# Altium PCB PCB_V2.PcbDoc (part 2 of 2) (continued)
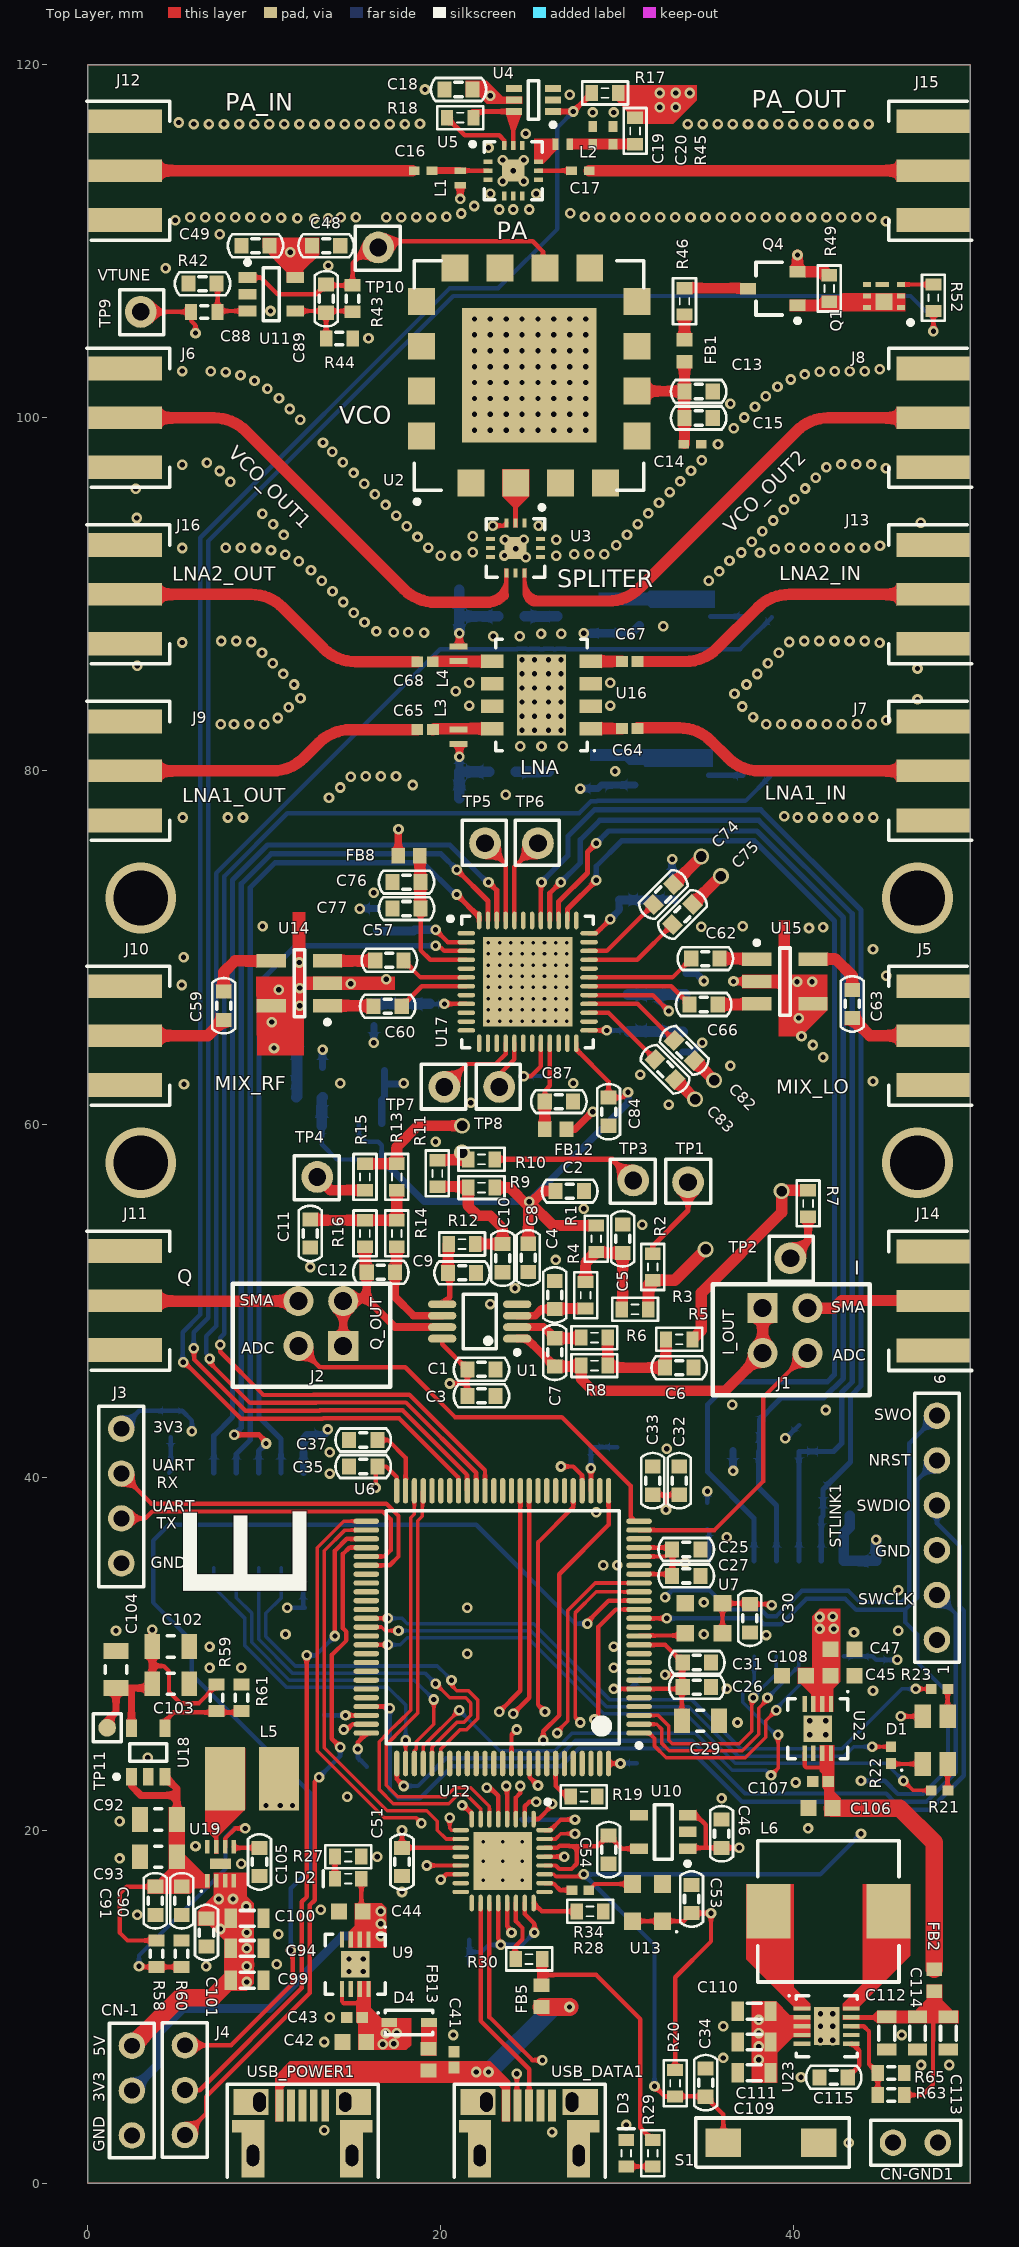
[diagram p0: Top Layer view]
## Nets (pads, with @x,y where several pads share a name; then routed paths per layer and width w, separated by ;. In a path a pad name is that pad's centre, name@x,y a point inside that pad or via, vN(x,y) a via of type N, cw(c..) or ccw(c..) an arc to the next point about the centre after c; other vN are vias at no path point) (continued)
  Top Layer w0.25: C87.1@25.9,61.1 25.9,61.9 26.167,62.168 U17.21@26.167,64.578
  Top Layer w0.6: FB12.2@25.885,59.7 C87.1@25.885,61.27
NetC88_2: C88.2 R42.1 U11.3 | length 3.3
  Top Layer w0.25: C88.2@7.3,107.6 7.35,107.55 R42.1@7.35,106 7.4,106.05 U11.3@9.05,106.05
NetC89_2: C89.2 R43.2 R44.1 U11.4 | length 4.7
  Top Layer w0.25: U11.4@11.75,106.05 14.95,106.05 R43.2@15,106 ; R44.1@13.5,104.5 C89.2@13.5,105.95
NetC105_2: C105.2 U19.5 | length 1.5
  Top Layer w0.25: U19.5@8.275,19.065 8.34,19 C105.2@9.725,19
NetC106_2: C106.2 C107.2 FB2.2 U22.5 U22.7 U22.8 | length 15.8
  Top Layer w0.25: U22.5@40.6,24.355 40.6,23.65 40.7,23.55 41.925,23.55
  Top Layer w1: C106.2@42.175,21.25 46,21.25 47.95,19.3 FB2.2@47.95,12.115
NetC115_2: C115.2 U23.6 | length 2.4
  Top Layer w0.25: C115.2@43.05,6 43.7,6.65 43.7,7.5 43.3,7.9 U23.6@43.245,7.9
NetD1_2: D1.2 R23.1 | length 1.6
  Top Layer w0.25: D1.2@48.707,26.45 48.707,27.982 R23.1@48.725,28
NetD1_3: D1.3 R22.1 | length 1.8
  Top Layer w0.25: R22.1@45.5,23.775 45.525,23.75 D1.3@47.293,23.75
NetD1_4: D1.4 R21.1 | length 1.5
  Top Layer w0.25: D1.4@48.707,23.75 48.707,22.268 R21.1@48.725,22.25
NetD2_2: D2.2 R27.1 | length 1.3
  Top Layer w0.25: D2.2@14,17.25 R27.1@14,18.5
NetD3_1: D3.1 R29.2 | length 1.5
  Top Layer w0.25: D3.1@30.5,0.95 R29.2@32,0.95
NetD4_2: D4.2 FB13.2
NetFB5_1: FB5.1 R29.1 R30.2 | length 15.3
  Top Layer w0.25: 25.7,11.8 28.8,11.8 31.3,9.3 31.3,3.15 R29.1@32,2.45
  Top Layer w0.5: FB5.1@25.7,11.215 25.7,11.8 25.7,12.65 R30.2@25.75,12.7
NetL2_2: L2.2 U5.9
NetL5_2: L5.2 U19.7
NetL6_1: L6.1 U23.1
NetL6_2: L6.2 U23.10
NetQ1_1: Q1.1 Q1.2 Q1.5 Q1.6 Q1.8 Q4.1 R49.1 | length 0.3
  Top Layer w0.4: R49.1@41.8,106.375 R49.1@42,106.575
NetQ1_3: Q1.3 R52.1 | length 1.8
  Top Layer w0.25: Q1.3@46.075,107.55 R52.1@47.9,107.55
NetQ2_1: Q2.1 Q2.2 Q2.5 Q2.6 Q2.8 Q5.1 R50.1
NetQ2_3: Q2.3 R53.1 | length 1.9
  Bottom Layer w0.3: Q2.3@35.275,88.75 R53.1@37.2,88.75
NetQ3_1: Q3.1 Q3.2 Q3.5 Q3.6 Q3.8 Q6.1 R51.1 | length 0.3
  Bottom Layer w0.6: R51.1@30.8,80.9 R51.1@31,80.7
NetQ3_3: Q3.3 R54.1 | length 1.9
  Bottom Layer w0.3: Q3.3@35.175,79.75 R54.1@37.1,79.75
NetQ4_3: Q4.3 R46.2 | length 3.6
  Top Layer w0.4: Q4.3@37.375,107.35 Q4.3@37.4,107.325
  Top Layer w0.6: R46.2@33.8,107.35 Q4.3@37.375,107.35
NetQ5_3: Q5.3 R55.2 | length 1.8
  Bottom Layer w0.6: R55.2@24.75,88.75 Q5.3@26.6,88.75
NetQ6_3: Q6.3 R56.2 | length 1.9
  Bottom Layer w0.4: R56.2@24.25,79.95 R56.2@24.3,79.9
  Bottom Layer w0.6: R56.2@24.25,79.95 Q6.3@26.1,79.95
NetR2_1: R2.1 TP1.1 | length 4.9
  Top Layer w0.3: R2.1@32,52.65 32,53.1 34,55.1 TP1.1@34,56.7
NetR7_1: R7.1 TP2.1 | length 2.8
  Top Layer w0.45: TP2.1@39.8,52.4 40.8,53.4 R7.1@40.8,54.75
NetR10_1: R10.1 TP3.1 | length 8.3
  Top Layer w0.3: R10.1@23.05,58 29.7,58 TP3.1@30.9,56.8
NetR15_1: R15.1 TP4.1 | length 3
  Top Layer w0.6: TP4.1@13,57 13.75,56.25 R15.1@15.7,56.25
NetR18_1: R18.1 U5.12 | length 4.1
  Top Layer w0.25: R18.1@20.35,117 21.35,116 23.3,116 23.59,115.71 U5.12@23.59,115.425
NetR18_2: R18.2 U4.6 U5.11 | length 4.2
  Top Layer w0.25: U5.11@24.1,115.425 U4.6@24.1,117.3
  Top Layer w0.3: R18.2@21.8,117.35 U4.6@24.15,117.35
NetR19_1: R19.1 U6.94 | length 2.4
  Top Layer w0.25: U6.94@26.5,23.775 26.5,22.5 27.1,21.9 R19.1@27.35,21.9
NetR24_1: R24.1 R25.2 R26.2 | length 3.3
  Bottom Layer w0.6: R25.2@11.8,61.515 11.85,61.565 R26.2@11.85,64.75
NetR28_1: R28.1 U12.24 | length 2.6
  Top Layer w0.25: U12.24@25.25,15.875 25.725,15.4 R28.1@27.7,15.4
NetR30_1: R30.1 U12.22 | length 3.7
  Top Layer w0.25: R30.1@24.25,12.5 24.2,12.55 24.2,13.4 24.625,13.825 24.625,14.459 24.25,14.834 U12.22@24.25,15.875
NetR34_1: R34.1 U13.3 | length 2.6
  Top Layer w0.25: R34.1@28.375,16.6 28.725,16.95 U13.3@30.85,16.95
NetR34_2: R34.2 U12.26 | length 1.7
  Top Layer w0.25: U12.26@25.875,17 26.298,17 26.348,16.95 26.411,16.95 26.761,16.6 R34.2@27.425,16.6
NetR41_2: R41.2 U17.20 | length 3.5
  Top Layer w0.25: v1(24.7,62.7) 25.1,62.7 25.668,63.267 U17.20@25.668,64.578
  Bottom Layer w0.25: v1(24.7,62.7) 24.72,62.72 R41.2@25.685,62.72 R41.2@25.685,62.715
NetR47_1: R47.1 U20.8 | length 2
  Bottom Layer w0.25: U20.8@4.6,40.25 4.7,40.35 R47.1@4.7,42.25
NetR48_1: R48.1 U21.8 | length 1.8
  Bottom Layer w0.25: R48.1@35.1,37.05 35.2,36.95 U21.8@35.2,35.25
NetR58_1: R58.1 R60.2 U19.6 | length 14.9
  Top Layer w0.25: v1(2.9,12.3) 2.95,12.25 R58.1@3.9,12.25 R60.2@5.3,12.25 ; U19.6@7.775,19.065 7.775,19.525 8.35,20.1 v1(8.925,20.1)
  Bottom Layer w0.25: v1(2.9,12.3) 2.9,12.9 7.8,17.8 7.8,19.6 8.3,20.1 v1(8.925,20.1)
NetR59_1: R59.1 R61.2 U18.4 | length 4.5
  Top Layer w0.25: U18.4@4.375,26.175 4.875,26.675 R61.2@8.675,26.675
NetR63_1: R63.1 R65.2 U23.8 | length 4.9
  Top Layer w0.25: U23.8@43.245,8.9 43.95,8.9 44.25,8.6 44.25,6.75 R65.2@44.75,6.25 R63.1@44.75,5
NetTP5_1: TP5.1 U17.45 | length 4.9
  Top Layer w0.25: TP5.1@22.5,75.9 23.667,74.733 U17.45@23.667,71.527
NetTP6_1: TP6.1 U17.44 | length 4.9
  Top Layer w0.25: U17.44@24.168,71.527 24.168,74.568 TP6.1@25.5,75.9
NetTP7_1: TP7.1 U17.16 | length 4.9
  Top Layer w0.25: TP7.1@20.385,61.985 20.739,62.339 20.739,62.639 21.5,63.4 23.1,63.4 23.667,63.967 U17.16@23.667,64.578
NetTP8_1: TP8.1 U17.17 | length 3.1
  Top Layer w0.25: TP8.1@23.3,61.8 TP8.1@23.3,62.1 23.3,62.8 24.168,63.668 U17.17@24.168,64.578
NetU2_2: U2.2 U3.2 | length 0.1
  Top Layer w0.25: U2.2@24.19,96.256 U2.2@24.238,96.304
NetU6_12: U6.12 U7.3 | length 2.7
  Top Layer w0.25: U6.12@31.225,31 31.25,31.025 33.725,31.025 U7.3@33.85,31.15
NRST: C34.2 R20.1 S1.1 STLINK1.5 U6.14 U12.27 | length 82.9
  Top Layer w0.2: U12.27@25.875,17.5 26.399,17.5 26.524,17.375 27.875,17.375 28,17.5 v1(28.1,17.5)
  Top Layer w0.25: U6.14@31.225,32 v1(32.8,32) ; v1(32.1,5.5) 32.683,4.917 R20.1@33.269,4.917 34.983,4.917 C34.2@35,4.9 36,3.9 S1.1@36,2.3
  Signal Layer 2 w0.25: v1(43.8,19.8) v1(43.8,22.8)
  Bottom Layer w0.25: v1(32.1,5.5) 32.1,13.5 v1(28.1,17.5) 41.5,17.5 v1(43.8,19.8) ; v1(32.8,32) 37.98,32 38.305,31.675 39.275,31.675 40.7,33.1 42.9,33.1 43.525,32.475 46.295,32.475 ; v1(43.8,22.8) 45.136,22.8 45.886,22.05 47.314,22.05 48.725,23.461 48.725,27.775 47,29.5 47,31.084 46.295,31.789 46.295,32.475 ; STLINK1.5@48.1,40.94 46.975,39.815 46.975,33.155 46.295,32.475
PA1: J1.3 U6.24 | length 16.5
  Top Layer w0.25: U6.24@31.225,37 35.5,37 38.25,39.75 38.25,44.51 J1.3@40.77,47.03
PA2: J2.4 U6.25 | length 24.4
  Top Layer w0.25: J2.4@11.93,47.43 13.135,46.225 17.975,46.225 20.8,43.4 26.85,43.4 30.75,39.5 30.75,37.75 31,37.5 U6.25@31.225,37.5
PA4: R42.2 TP9.1 U6.29 | length 86.6
  Top Layer w0.25: TP9.1@3,106 R42.2@5.85,106 5.85,105.5 6.1,105.25 v1(6.1,104.8) ; v1(26.8,40.6) 27.5,40.6 28,40.1 U6.29@28,39.225
  Signal Layer 2 w0.25: v1@6,104.7 v1(6.1,104.8) 6.1,76.2 9,73.3 9,47.3 9,47.2 9,47 11.2,44.8 11.2,43.8 12.975,42.025 25.375,42.025 v1(26.8,40.6)
PA15: U6.77 U20.5 | length 18.9
  Top Layer w0.2: U6.77@18,23.775 v1(18,25.1)
  Bottom Layer w0.2: U20.5@7.14,34.85 7.14,33.76 8.88,32.02 8.88,30.474 11.254,28.1 17,28.1 18,27.1 v1(18,25.1)
PA_IN: C16.1 J12.1 | length 15.5
  Top Layer w0.645: J12.1@2.887,114 C16.1@18.39,114
PA_OUT: C17.1 J15.1 | length 18.8
  Top Layer w0.645: C17.1@28.4,114 J15.1@47.15,114
PB14: J4.2 U6.53 | length 36.9
  Top Layer w0.25: J4.2@5.5,5.275 6.339,5.275 12.125,11.061 12.125,15.945 12.4,16.22 v1(12.4,29.9) ; v1(14,31) 14,35.833 14.667,36.5 U6.53@15.775,36.5
  Bottom Layer w0.25: v1(12.4,29.9) 12.9,29.9 v1(14,31)
PB15: J4.3 U6.54 | length 38.6
  Top Layer w0.25: J4.3@5.5,2.735 6.7,3.935 6.7,4.9 12.575,10.775 12.575,15.759 12.85,16.034 12.85,22.75 v1(13.1,23) ; v1(14.3,24.7) 13.825,25.175 13.825,29.925 14.65,30.75 14.65,31.234 14.45,31.434 14.45,35.647 14.803,36 U6.54@15.775,36
  Bottom Layer w0.25: v1(13.1,23) 14.3,24.2 v1(14.3,24.7)
PC1: J4.1 U6.16 | length 67.6
  Top Layer w0.25: J4.1@5.5,7.815 8.115,7.815 11.6,11.3 v1@11.6,13.2 ; v1(28.3,31.7) 28.3,31.8 29.5,33 U6.16@31.225,33
  Bottom Layer w0.25: v1(11.5,13.2) 11.5,16.7 12.6,17.8 12.6,22.1 5.9,28.8 5.9,30.7 3.7,32.9 3.7,36.4 4.6,37.3 22,37.3 27.6,31.7 v1(28.3,31.7)
PC10: U6.78 U20.4 | length 20.3
  Top Layer w0.2: U6.78@18.5,23.775 18.5,24.5 18.6,24.6 18.6,25 19.6,26 v1(19.6,27.4)
  Bottom Layer w0.2: U20.4@8.41,34.85 8.41,33.17 9.28,32.3 9.28,30.64 11.42,28.5 18.5,28.5 v1(19.6,27.4)
PC11: U6.79 U21.5 | length 32.3
  Top Layer w0.2: U6.79@19,23.775 19,24.766 v1(21.034,26.8) ; v1(38.7,23.1) 39.1,23.5 v1(39.1,25.4)
  Bottom Layer w0.2: v1(21.034,26.8) 23.334,24.5 26.449,24.5 27.449,25.5 34.403,25.5 36.503,23.4 38.4,23.4 v1(38.7,23.1) ; U21.5@37.74,29.85 37.74,28.44 37.1,27.8 37.1,27.4 37.1,27.251 38.951,25.4 v1(39.1,25.4) 39.1,25.1
PC12: U6.80 U20.3 | length 22.1
  Top Layer w0.2: U6.80@19.5,23.775 19.5,24.7 20.9,26.1 21.3,26.1 21.7,26.5 21.7,27.2 21.4,27.5 20.5,27.5 v1(19.7,28.3)
  Bottom Layer w0.2: U20.3@9.68,34.85 9.68,30.806 11.586,28.9 19.1,28.9 v1(19.7,28.3)
PD0: U6.81 U20.2 | length 22.6
  Top Layer w0.2: U6.81@20,23.775 20,24.6 21.1,25.7 21.466,25.7 22.1,26.334 22.1,27.366 21.566,27.9 20.9,27.9 20.6,28.2 v1(20.6,28.5)
  Bottom Layer w0.2: U20.2@10.95,34.85 10.95,33.15 10.08,32.28 10.08,30.971 11.751,29.3 19.8,29.3 20.3,28.8 v1(20.6,28.5)
PE2: U6.1 U21.2 | length 14.4
  Top Layer w0.2: U6.1@31.225,25.5 31.8,25.5 32.1,25.2 32.1,24.769 32.769,24.1 37.231,24.1 38.4,25.269 38.4,26.2 v1(39,26.8)
  Bottom Layer w0.2: v1(39,26.8) 39,26.9 41.55,29.45 U21.2@41.55,29.85
PE3: U6.2 U21.3 | length 13.6
  Top Layer w0.2: U6.2@31.225,26 32.234,26 32.5,25.734 32.5,24.934 32.934,24.5 37.066,24.5 38,25.434 38,26.9 38.5,27.4 v1(38.5,27.5)
  Bottom Layer w0.2: v1(38.5,27.5) 40.28,29.28 U21.3@40.28,29.85
PE4: U6.3 U21.4 | length 12.6
  Top Layer w0.2: U6.3@31.225,26.5 32.3,26.5 32.9,25.9 32.9,25.1 33.1,24.9 36.9,24.9 37.6,25.6 37.6,27.4 v1(37.7,27.5)
  Bottom Layer w0.2: v1(37.7,27.5) 37.7,27.549 39.01,28.859 U21.4@39.01,29.85
PE9: R54.2 U6.40 | length 79.3
  Top Layer w0.25: v1(7.5,47.5) 7.5,47.1 9.95,44.65 12.757,44.65 12.782,44.675 18.206,44.675 22.5,40.381 U6.40@22.5,39.225
  Bottom Layer w0.25: v1(7.5,47.5) 7.5,47.9 7.725,48.125 7.725,74.025 11.3,77.6 27.828,77.6 28.503,78.275 28.825,78.275 28.85,78.3 37.25,78.3 R54.2@38.65,79.7
PE10: R53.2 U6.41 | length 84.3
  Top Layer w0.25: v1(6.9,46.7) 6.9,46.493 9.193,44.2 12.943,44.2 12.968,44.225 18.02,44.225 22,40.245 U6.41@22,39.225
  Bottom Layer w0.25: v1(6.9,46.7) 6.9,46.816 6.7,47.016 6.7,47.984 7.275,48.559 7.275,74.211 19.964,86.9 24.316,86.9 24.341,86.925 24.859,86.925 24.884,86.9 25.016,86.9 25.041,86.925 25.559,86.925 25.584,86.9 25.816,86.9 25.841,86.925 26.359,86.925 26.384,86.9 26.516,86.9 26.541,86.925 27.059,86.925 27.084,86.9 36.95,86.9 R53.2@38.75,88.7
PE11: R52.2 U6.42 | length 115
  Top Layer w0.25: v1(6,47.3) 6.025,47.275 6.025,46.661 8.936,43.75 13.13,43.75 13.155,43.775 17.833,43.775 21.475,40.133 21.475,39.25 U6.42@21.5,39.225 ; v1(47.9,104.9) R52.2@47.9,106.05
  Bottom Layer w0.25: v1(6,47.3) 6,48.2 6.825,49.025 6.825,93.025 20.7,106.9 46.6,106.9 47.9,105.6 v1(47.9,104.9)
PE12: R17.1 U4.1 U6.43 | length 103.4
  Top Layer w0.25: v1(5.4,46.5) 5.479,46.5 8.679,43.3 13.316,43.3 13.341,43.325 17.647,43.325 20.975,39.997 20.975,39.25 U6.43@21,39.225
  Top Layer w0.3: U4.1@26.4,117.35 v1(27.5,117.35) R17.1@28.55,118.4
  Bottom Layer w0.25: v1(5.4,46.5) 5.484,46.5 5.375,46.609 5.375,48.211 6.375,49.211 6.375,93.211 20.514,107.35 23.25,107.35 26.6,110.7 26.6,116.45 v1(27.5,117.35)
PE13: U6.44
Q_OUT_N: C83.1 R13.2 R15.2 | length 22.6
  Top Layer w0.6: R15.2@15.7,57.75 R13.2@17.5,57.75 17.5,58.7 18.7,59.9 v3(21.2,59.9)
  Top Layer w0.645: C83.1@33.266,62.534 v3(34.4,61.4)
  Signal Layer 2 w0.645: v3(21.2,59.9) 21.223,59.878 33.277,59.878 34.4,61 v3(34.4,61.4)
Q_OUT_P: C82.1 R10.2 R11.2 | length 22.2
  Top Layer w0.6: R10.2@21.2,57.95 R11.2@19.8,57.95 19.85,58 R10.2@21.55,58
  Top Layer w0.645: C82.1@34.351,63.604 v3(35.478,62.477)
  Signal Layer 2 w0.645: v3(21.2,58.376) 33.931,58.376 35.478,59.923 v3(35.478,62.477)
Q_OUTDC_N: C83.2 U17.27 | length 4.8
  Top Layer w0.25: U17.27@28.392,66.302 29.497,66.302 C83.2@32.134,63.666
Q_OUTDC_P: C82.2 U17.28 | length 5.7
  Top Layer w0.25: U17.28@28.392,66.803 31.152,66.803 C82.2@33.219,64.736
Q_SMA: J2.3 J11.1 | length 7.9
  Top Layer w0.645: J11.1@3.23,49.97 J2.3@11.13,49.97
SWCLK: STLINK1.2 U6.76 | length 46.4
  Top Layer w0.25: U6.76@17.5,23.775 17.5,22.9 v1(17.9,22.5)
  Bottom Layer w0.25: v1(17.9,22.5) 18.7,22.5 20.275,24.075 26.625,24.075 27.625,25.075 34.227,25.075 37.227,22.075 45.225,22.075 45.7,21.6 47.5,21.6 49.175,23.275 49.175,32.245 STLINK1.2@48.1,33.32
SWDIO: STLINK1.4 U6.72 | length 58.1
  Top Layer w0.25: U6.72@15.775,27 17,27 v1(17.1,26.9)
  Bottom Layer w0.25: v1(17.1,26.9) 17.1,22.3 17.6,21.8 18.8,21.8 20.625,23.625 26.811,23.625 27.811,24.625 34.041,24.625 37.066,21.6 45.064,21.6 45.514,21.15 47.686,21.15 49.625,23.089 49.625,32.431 49.4,32.656 49.4,36.08 48.1,37.38 STLINK1.4@48.1,38.4
SWO: STLINK1.6 U6.89 | length 40.2
  Top Layer w0.25: U6.89@24,23.775 24,25.4 v1(24.3,25.7)
  Signal Layer 2 w0.25: v1(24.3,25.7) 24.8,26.2 24.8,26.6 31.4,33.2 v1(32.7,33.2)
  Bottom Layer w0.25: v1(32.7,33.2) 33.1,33.6 35.2,33.6 36.3,32.5 38.116,32.5 38.491,32.125 39.009,32.125 40.434,33.55 43.086,33.55 43.711,32.925 46.109,32.925 46.525,33.341 46.525,41.905 STLINK1.6@48.1,43.48
ULPI_CK: U6.30 U12.1 | length 21.3
  Top Layer w0.25: U12.1@25.25,20.625 25.525,20.625 26.3,21.4 v1(26.3,21.5) ; v1(25.9,26.7) 25.5,27.1 25.5,36.3 27.5,38.3 U6.30@27.5,39.225
  Signal Layer 2 w0.25: v1(25.9,26.7) 26.284,26.7 27.225,25.759 27.225,22.425 v1(26.3,21.5)
ULPI_D0: U6.26 U12.3 | length 21.2
  Top Layer w0.25: U12.3@24.25,20.625 24.25,21.85 24.5,22.1 v1(24.5,22.5) ; v1(25.8,25.1) 25.8,25.6 26.7,26.5 26.7,34.5 29.5,37.3 U6.26@29.5,39.225
  Signal Layer 2 w0.25: v1(24.5,22.5) 24.5,22.329 24.529,22.3 24.529,23.829 v1(25.8,25.1)
ULPI_D1: U6.35 U12.4 | length 19.4
  Top Layer w0.25: v1(23.7,22.5) 23.75,22.45 U12.4@23.75,20.625 ; v1(24.1,26.6) 25,27.5 U6.35@25,39.225
  Signal Layer 2 w0.25: v1(23.7,22.5) 23.45,22.75 23.45,25.85 24.1,26.5 v1(24.1,26.6)
ULPI_D2: U6.36 U12.5 | length 19.8
  Top Layer w0.25: v1(22.6,22.4) 22.8,22.4 23.25,21.95 U12.5@23.25,20.625 ; v1(23.3,26.7) 24.5,27.9 U6.36@24.5,39.225
  Signal Layer 2 w0.25: v1(22.6,22.4) 22.6,26 v1(23.3,26.7)
ULPI_D3: U6.47 U12.6 | length 25
  Top Layer w0.2: U6.47@19,39.225 18.95,39.175 18.95,37.784 18.7,37.534 18.7,26.634 17.766,25.7 17.751,25.7 17.4,25.349 17.4,25.334 16.9,24.834 16.9,22.551 17.551,21.9 20.286,21.9 20.786,22.4 21.701,22.4 22.75,21.351 U12.6@22.75,20.625
ULPI_D4: U6.48 U12.7 | length 25
  Top Layer w0.2: U6.48@18.5,39.225 18.5,37.9 18.3,37.7 18.3,26.8 17.6,26.1 17.586,26.1 17,25.514 17,25.5 16.5,25 16.5,22.3 17.3,21.5 20.451,21.5 20.951,22 21.449,22 22.25,21.199 U12.7@22.25,20.625
ULPI_D5: U6.51 U12.9 | length 25.7
  Top Layer w0.2: U6.51@15.775,37.5 14.5,37.5 13,36 13,24.5 16.8,20.7 18.6,20.7 v1(18.9,20.4) ; v1(20.5,20.7) 20.5,20.1 20.6,20 U12.9@21.125,20
  Signal Layer 2 w0.2: v1(18.9,20.4) 19.6,20.4 19.8,20.6 20.6,20.6 v1(20.5,20.7)
ULPI_D6: U6.52 U12.10 | length 24.2
  Top Layer w0.2: U6.52@15.775,37 14.566,37 13.4,35.834 13.4,24.666 16.966,21.1 19.2,21.1 19.8,20.5 19.8,20 20.3,19.5 U12.10@21.125,19.5
ULPI_D7: U6.91 U12.13 | length 12.3
  Top Layer w0.25: v1(19.2,18) U12.13@21.125,18 ; U6.91@25,23.775 25.025,23.75 25.025,23.003 v1(25.5,22.528)
  Signal Layer 2 w0.25: v1(19.2,18) 21.2,18 21.8,18.6 21.8,19.9 22.1,20.2 23.084,20.2 25.412,22.528 v1(25.5,22.528)
ULPI_DIR: U6.17 U12.31 | length 19.2
  Top Layer w0.2: U12.31@25.875,19.5 26.499,19.5 26.524,19.525 ; 26.525,19.525 26.8,19.8 v1(27.6,19.8) ; v1(27.9,26.1) 27.6,26.4 27.6,32.299 28.801,33.5 U6.17@31.225,33.5
  Signal Layer 2 w0.2: v1(27.6,19.8) 27.649,19.8 28.2,20.351 28.2,22.1 27.65,22.65 27.65,25.85 v1(27.9,26.1)
ULPI_NXT: U6.18 U12.2 | length 17.9
  Top Layer w0.2: v1(26.6,25.5) 26.5,25.5 27.2,26.2 27.2,32.465 28.735,34 U6.18@31.225,34
  Top Layer w0.25: U12.2@24.75,20.625 24.75,21.35 25,21.6 v1(25.4,21.6)
  Signal Layer 2 w0.2: v1(25.4,21.6) 25.42,21.6 26.6,22.78 v1(26.6,25.5)
ULPI_STP: U6.15 U12.29 | length 17.8
  Top Layer w0.25: U12.29@25.875,18.5 v1(27,18.5) ; v1(28.7,26.272) 28.925,26.497 28.925,31.525 29.9,32.5 U6.15@31.225,32.5
  Signal Layer 2 w0.25: v1(27,18.5) 27.184,18.5 28.7,20.016 v1(28.7,26.272)
USART3_RX: J3.2 U6.56 | length 21
  Top Layer w0.25: J3.2@1.9,40.2 3.6,38.5 16.9,38.5 17.6,37.8 17.6,35.5 17.1,35 U6.56@15.775,35
USART3_TX: J3.3 U6.55 | length 18.9
  Top Layer w0.25: J3.3@1.9,37.66 3.26,37.66 3.65,38.05 16.714,38.05 17.15,37.614 17.15,35.85 16.8,35.5 U6.55@15.775,35.5
USB_N: U12.19 USB_DATA1.2 | length 14.2
  Top Layer w0.25: U12.19@22.75,15.875 22.75,9.412 24.112,8.05 25.186,6.975 v1(25.751,6.975) ; v1(24.3,6.2) 24.3,4.45 USB_DATA1.2@24.35,4.4
  Signal Layer 2 w0.25: v1(24.3,6.2) 24.3,6.1 25.175,6.975 v1(25.751,6.975)
USB_P: U12.18 USB_DATA1.3 | length 12.6
  Top Layer w0.25: U12.18@22.25,15.875 22.25,9.205 24.975,6.48 24.975,6.475 24.979,6.475 25,6.455 USB_DATA1.3@25,4.4
VBUS_USB: C41.2 FB5.2 FB13.1 USB_DATA1.1 USB_POWER1.1 | length 8.4
  Top Layer w1: FB5.2@25.7,9.985 v1(27.285,9.985) v1@27.3,10
  Bottom Layer w1: v1(22,6.3) v1(22.7,6.3) 26.385,9.985 v1(27.285,9.985)
VCO_VCC: FB1.2 R46.1 | length 1.4
  Top Layer w0.6: FB1.2@33.8,104.415 R46.1@33.8,105.85
VTUNE: C89.1 R43.1 TP10.1 U2.10 U11.1 | length 20.3
  Top Layer w0.25: U11.1@9.05,107.95 9.8,107.95 10.75,107 12.95,107 C89.1@13.5,107.55 13.55,107.5 R43.1@15,107.5 15,108.75 16.25,110 25.2,110 25.789,109.411 U2.10@25.789,108.485
pads on no net: U2.4 U4.4 U6.4 U6.5 U6.7 U6.8 U6.9 U6.13 U6.23 U6.31 U6.32 U6.33 U6.34 U6.37 U6.38 U6.39 U6.45 U6.46 U6.57 U6.58 U6.59 U6.60 U6.61 U6.64 U6.66 U6.67 U6.68 U6.69 U6.70 U6.71 U6.82 U6.83 U6.84 U6.85 U6.86 U6.87 U6.88 U6.90 U6.92 U6.93 U6.95 U6.96 U6.97 U6.98 U6.99 U9.4 U10.4 U12.12 U12.15 U12.16 U12.17 U12.25 U17.10 U17.11 U17.18 U17.19 U17.23 U17.37 U17.42 U17.43 U20.6 U20.9 U21.6 U21.9 U22.4 U23.5 USB_DATA1.4 USB_DATA1.6 USB_POWER1.2 USB_POWER1.3 USB_POWER1.4 USB_POWER1.6
copper on no net:
  other v1: 10.35,106.05 13.625,108.625

## Polygon pours and split planes (outlines as drawn)
GND on Bottom Layer "GNDBOT" (solid, shelved, pour order 6): 0,120 50,120 50,0 0,0
GND on Top Layer "GNDS1" (solid, shelved, pour order 2): 0,120 50,120 50,0 0,0
GND on Signal Layer 1 "GNDS1" (solid, shelved, pour order 0): 0,120 50,120 50,0 0,0
5VUSB on Signal Layer 2 "5USB" (solid, shelved, pour order 8): 6.5,17.5 6.5,7.5 36.5,7.5 38.5,5.5 40,5.5 40,9.5 39.4,10.1 18.9,10.1 11.5,17.5
3V3 on Signal Layer 2 "3V3" (solid, shelved, pour order 4): 10.8,42.5 33.1,42.5 40.5,35.1 40.5,29.6 45.2,29.6 47.176,31.7 49.8,31.7 49.8,22 38.8,22 37.1,20.3 37.1,10.5 15,10.5 10.8,14.7
5V on Signal Layer 2 "5V" (solid, shelved, pour order 10): 40.125,29.875 45.4,29.875 46.75,31.225 46.75,44.5 50,47.75 50,120 0,120 0,38.75 35.25,38.75 40.125,33.875

## Other copper
Top Layer:
  region net GND: 37.069,68.414 37.073,67.693 39.018,67.693 39.125,67.6 39.125,64.975 40.425,64.975 41.9,66.45 41.9,68.45 39.775,68.45 39.775,71.5 39.125,71.5 39.125,68.45 37.105,68.45
  region net GND: 9.607,63.9 12.225,63.9 12.225,67.625 12.25,67.6 17.4,67.6 17.4,68.35 12.375,68.35 12.325,68.4 12.325,72 11.6,72 11.6,68.35 9.55,68.35
  region net NetR18_2: 24.575,117.53 24.575,117.241 24.2,116.25 24.2,115.2 24,115.2 24,116.25 23.691,117.171 23.691,117.53
  pour cut-out: 10.7,82.125 12.875,84.3 21.1,84.3 21.1,81.025 20.675,80.6 15.025,80.6 12.3,77.875 0,77.875 0,82.125
  pour cut-out: 23.725,85.325 23.725,87.1 23.67,87.045 19.1,87.045 19.1,85.325
  pour cut-out: 5.225,67.125 6.1,68 6.1,69.35 7.55,70.8 15.975,70.8 16.9,69.875 16.9,66 15.65,64.75 9.5,64.75 7.625,62.875 0,62.875 0,67.125
  pour cut-out: 45.2,67.125 44.775,67.55 44.775,69.05 43.025,70.8 34.25,70.8 33.225,69.775 33.225,66.15 34.025,65.35 40.7,65.35 43.175,62.875 50,62.875 50,67.125
  pour cut-out: 27.65,87.05 27.65,85.4 30.65,85.4 30.65,87.05
  pour cut-out: 27.675,83.25 30.65,83.25 30.65,81.502 27.675,81.495
  pour cut-out: 21.098,83.3 23.75,83.3 23.75,81.25 21.098,81.25
  pour cut-out: 0.7,92.125 11.025,92.125 15.6,87.55 20.125,87.55 21.1,86.575 21.1,84.3 12.875,84.3 9.3,87.875 0,87.875 0,92.15
  pour cut-out: 0,102.125 9.025,102.125 19.675,91.475 23.925,91.475 23.925,88.25 16.55,88.25 6.925,97.875 0,97.875
  pour cut-out: 50,102.125 39.675,102.125 29.05,91.5 24.5,91.5 24.5,88.25 32.25,88.25 41.875,97.875 50,97.875
  pour cut-out: 50,92.125 36.975,92.125 32.5,87.65 30.65,87.65 30.65,84.05 36.075,84.05 39.925,87.9 50,87.9
  pour cut-out: 50,82.125 38.1,82.125 36.175,84.05 30.65,84.05 30.65,79.9 33.6,79.9 35.625,77.875 35.975,77.875 50,77.875
  pour cut-out: 28.2,111.9 28.2,116.1 50,116.1 50,111.9
  pour cut-out: 0,116.1 0,111.9 20.5,111.9 20.5,116.1
  pour cut-out: 24.2,109.7 24.2,107 27.6,107 27.6,109.7
  pour cut-out: 22.7,94.3 22.7,97.9 25.8,97.9 25.8,94.3
  pour cut-out: 34.268,103 29.6,103 29.6,100 34.295,100
  region net NetL2_2: 26.6,115.8 25.3,115.8 25.3,114.4 25.8,114.4 26.6,115.2
  region net NetC19_2: 31.4,115.8 27.2,115.8 27.2,115.2 31.4,115.2
  region net VBUS_USB: 11.075,3.5 10.625,3.5 10.625,6.075 11.45,6.9 22.8,6.9 23.925,5.775 23.925,3.5 23.45,3.5 23.45,5.35 23.1,5.7 11.375,5.7 11.075,5.4
  region net NetC106_2: 41.475,24.8 41.475,23.325 41.6,23.2 41.6,22.425 41.725,22.3 41.725,20.8 42.65,20.8 42.65,21.8 42.275,22.175 42.275,23.05 42.275,23.9 42.275,24.8 41.725,24.8
  region net 5VUSB: 39.925,8.275 40.925,8.275 40.925,9.525 39.775,9.525 39,10.3 37.6,10.3 37.6,5.7 39.05,5.7 39.05,7.4
  region net NetL6_2: 42.775,10.175 43.9,11.3 43.9,16.95 46.6,16.95 46.6,12.9 43.7,10 43.7,9.8 42.775,9.8
  region net NetL6_1: 40.925,9.8 40.925,10.175 40,11.1 40,16.95 37.3,16.95 37.3,12.7 40,10 40,9.8
  region net 5V7: 42.775,9.275 44.5,9.275 44.725,9.05 49.325,9.05 49.325,9.775 49,9.775 48.4,10.375 48.4,11.25 47.525,11.25 47.525,10.425 46.875,9.775 44.725,9.775 44.475,9.525 42.775,9.525
  region net NetL5_2: 7.15,18.675 7.15,19.55 6.65,20.05 6.65,24.675 8.9,24.675 8.925,24.65 8.925,21.175 7.4,19.65 7.4,18.675
  region net 27V: 6.9,16.7 6.1,16.7 5.8,16.4 3.4,16.4 3.4,17.2 4,17.2 4.6,17.8 4.6,21.3 5.5,21.3 5.5,18.6 6.6,17.5 6.9,17.5
  region net 5VUSB: 7.125,17.6 7.125,16.3 6.225,15.4 6.225,14.6 6.9,14.6 7.725,13.775 7.725,10.9 9,10.9 9.4,11.3 9.4,15.85 9,16.25 9,17.6
  region net NetQ1_1: 46.3,107.05 46.3,106.6 46.3,106.05 39.75,106.05 39.75,106.7 41.4,106.7 41.625,106.925 42.625,106.925 42.75,107.05
  region net 5V: 29.7,118.85 34.5,118.85 34.5,118 33.15,116.65 30.55,116.65 30.55,117.35 29.95,117.95 29.7,117.95
  region net 5V: 24.6,118.2 23.5,118.2 22.6,119.1 21.4,119.1 21.4,118.2 22.2,118.2 22.6,117.8 24.6,117.8
  region net 3V3: 14.775,13.35 16.025,13.35 16.9,13.35 16.9,15.6 16.65,15.85 15.125,15.85 15.125,14.6 14.775,14.25
  region net 5V: 42.225,26.7 42.225,28 42.625,28.4 42.625,32.55 41.45,32.55 41.025,32.125 41.025,29.2 40.225,29.2 40.225,28.3 40.375,28.3 40.975,27.7 40.975,26.7
  region net NetD4_2: 18.875,7.225 18.875,8.85 18.875,9.35 19.775,9.35 19.775,8.025 19.75,8 19.75,7.225
  region net 5VUSB: 18.325,7.825 18.05,7.55 15.325,7.55 15.325,9 15.2,9.125 15.2,10.325 15.275,10.4 15.275,11.45 16.025,11.45 16.025,9.95 16.625,9.35 18.325,9.35
  region net NetU2_2: 23.475,97.075 23.475,95.55 24.1,94.925 24.1,93.8 24.35,93.8 24.35,94.9 25,95.55 25,97.075
  region net 26V: 9.9,109.625 9.9,110.2 10.7,110.2 13.1,110.2 13.1,109.25 12.2,108.35 12.2,107.7 11.275,107.7 11.275,108.25
  region net CP_OUT_1: 23.6,91.45 23.6,90.899 cw(c22.576,90.899) 23.3,90.175 23.75,89.725 ccw(c23.569,89.906) 23.825,89.906 23.825,91.45
  region net CP_OUT_2: 24.625,91.45 24.625,90.093 ccw(c25.393,90.093) 24.85,89.55 25.051,89.751 ccw(c24.753,90.05) 25.175,90.05 cw(c25.96,90.835) 24.85,90.835 24.85,91.475
Signal Layer 2:
  region net 5VUSB: 9.7,21.825 11.95,21.825 11.95,16.45 10.5,15 7.2,15 6.8,15.4 6.8,16.5 7.3,17 9,17 9.7,17.7
Bottom Layer:
  region net NetQ2_1: 35.5,90.2 31.8,90.2 31.7,90.1 28.95,90.1 28.95,89.375 31.725,89.375 31.85,89.25 35.5,89.25
  region net NetQ3_1: 35.4,80.25 31.55,80.25 31.45,80.35 30.65,80.35 30.425,80.575 28.45,80.575 28.45,81.225 35.4,81.225

## Silkscreen, mask and mechanical layers (free items; w line width, h text height)
Top Overlay:
  lines w0.254: 8.2,45.125 17.125,45.125 17.125,50.95 8.2,50.95 8.2,45.125 ; 35.4,44.625 44.3,44.625 44.3,50.925 35.4,50.925 35.4,44.625
  text "PA_OUT" at 37.6,117.575 h1
  text "PA_IN" at 7.8,117.4 h1
  text "PA" at 23.175,110.125 h1
  text "VTUNE" at 0.575,107.775 h0.65
  text "VCO" at 14.25,99.675 h1
  text "VCO_OUT1" at 7.9,97.925 h0.8 r315
  text "VCO_OUT2" at 36.475,93.4 h0.8 r45
  text "LNA2_IN" at 39.175,90.8 h0.8
  text "LNA2_OUT" at 4.775,90.775 h0.8
  text "SPLITER" at 26.6,90.4 h1
  text "LNA" at 24.5,79.8 h0.8
  text "LNA1_IN" at 38.35,78.375 h0.8
  text "LNA1_OUT" at 5.35,78.225 h0.8
  text "MIX_RF" at 7.2,61.9 h0.8
  text "MIX_LO" at 39,61.7 h0.8
  text "I" at 43.425,51.475 h0.8
  text "Q" at 5.075,50.95 h0.8
  text "SMA" at 8.6,49.7 h0.65
  text "SMA" at 42.1,49.3 h0.65
  text "Q_OUT" at 16.65,47.175 h0.65 r90
  text "ADC" at 8.7,47 h0.65
  text "I_OUT" at 36.625,46.9 h0.65 r90
  text "ADC" at 42.2,46.6 h0.65
  text "SWO" at 44.55,43.225 h0.65
  text "3V3" at 3.7,42.525 h0.65
  text "NRST" at 44.225,40.65 h0.65
  text "UART" at 3.65,40.35 h0.65
  text "RX" at 3.9,39.375 h0.65
  text "SWDIO" at 43.55,38.075 h0.65
  text "UART" at 3.65,38.05 h0.65
  text "TX" at 3.9,37.075 h0.65
  text "GND" at 44.6,35.5 h0.65
  text "GND" at 3.575,34.825 h0.65
  text "SWCLK" at 43.65,32.775 h0.65
  text "E" at 14.7,32.6 h12 r90
  text "5V" at 1,7.2 h0.65 r90
  text "3V3" at 0.95,4.6 h0.65 r90
  text "GND" at 0.95,1.775 h0.65 r90
Mechanical 13:
  lines w0.1: 0,0 0,120 ; 0,0 50,0 ; 0,0 0,120 ; 0,0 50,0 ; 0,120 50,120 ; 0,120 50,120 ; 50,0 50,120 ; 50,0 50,120
Mechanical 17:
  the board outline again, w0.1

## Text inside footprints (layer, text, board x,y; h text height)
STLINK1: Top Overlay "1" at 48.8,28.8 h0.65 r90; Top Overlay "6" at 48.608,45.258 h0.65 r90